# KiCad board TKL.kicad_pcb (continued)
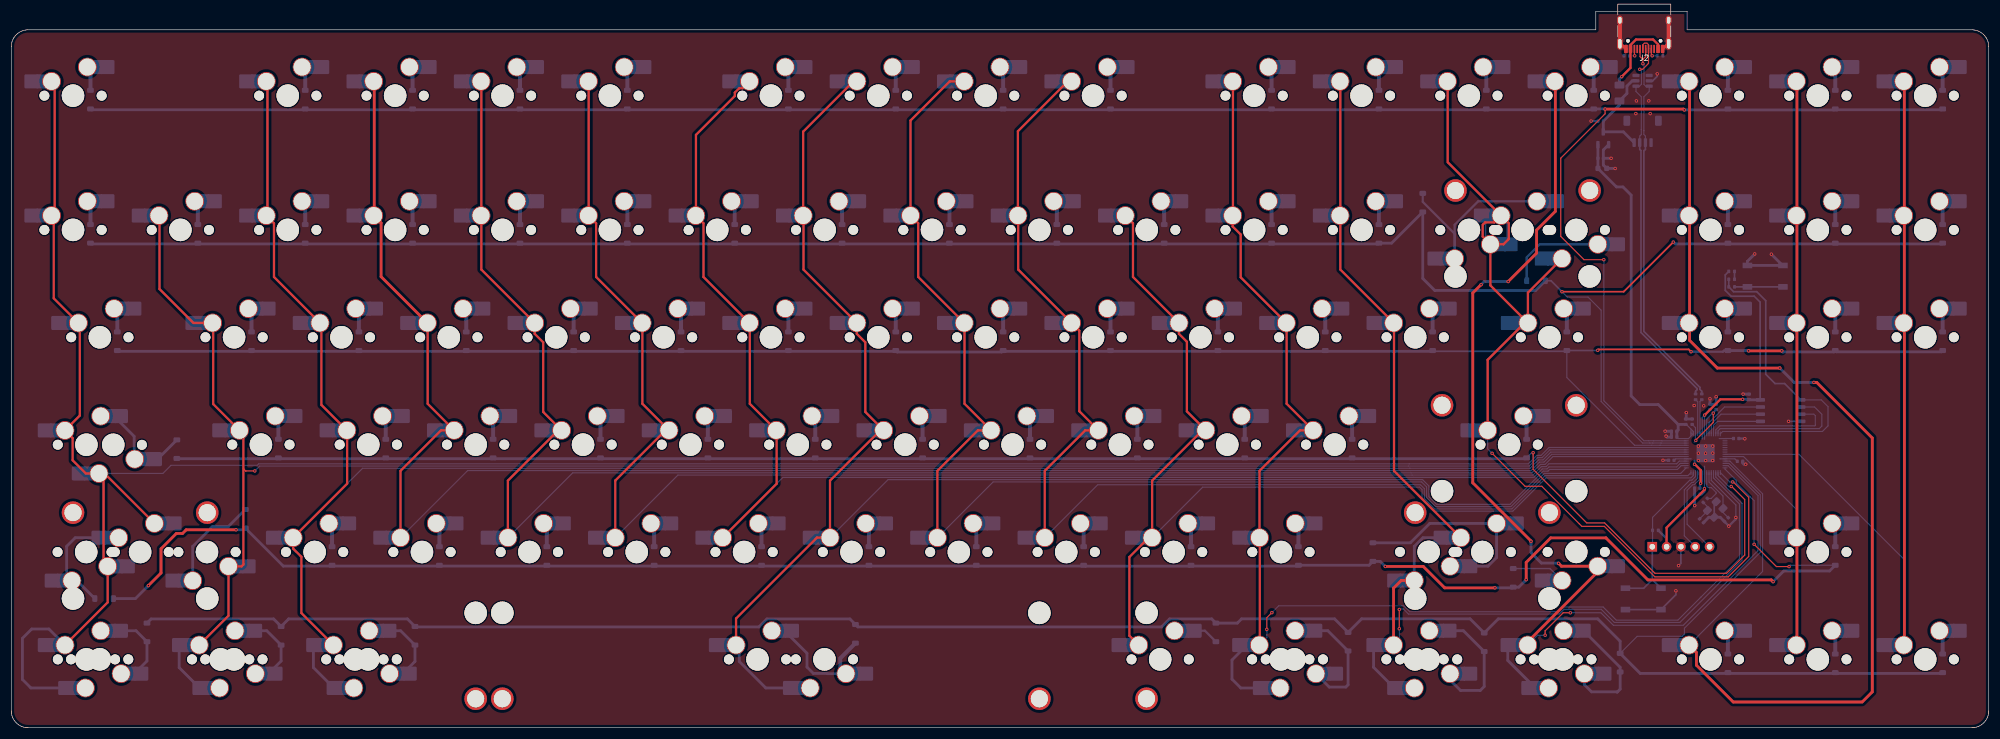
[diagram p0: board, top side]
## Routing (per net, layer and track width the routed paths; a pad name or vN(x,y) marks a point on that pad's centre or on a via; arc(x,y) is an arc through that point) (continued)
Net-(D80-A): length 3.6
  Bottom w0.7: D80.2 209.31,35.7
Net-(D81-A): length 3.6
  Bottom w0.7: D81.2 228.36,35.7
Net-(D83-A): length 3.6
  Bottom w0.7: D83.2 323.61,35.7
Net-(D84-A): length 38.3
  Bottom w0.5: D84.2 248.23,32.81 251.67,36.26 MX82.2 263.53,30.19 261.99,28.65 MX84.1
Net-(D85-A): length 9.5
  Bottom w0.25: MX85.2 272.99,28.24 D85.2
Net-(D86-A): length 17.9
  Bottom w0.5: MX86.2 22.13,17.21 D86.2 24.08,11.84 21.83,9.59 MX97.1
Net-(D87-A): length 15.8
  Bottom w0.5: MX98.1 45.64,9.59 47.88,11.83 D87.2 45.33,17.21 MX87.2
Net-(D88-A): length 17.5
  Bottom w0.5: MX88.2 69.08,17.21 D88.2 71.62,11.76 69.45,9.59 MX99.1
Net-(D89-A): length 24.7
  Bottom w0.5: MX89.2 137.18,17.21 141.18,13.21 141.18,10.76 142.3,9.64 144.75,9.64 144.79,9.59 MX100.1
  Bottom w0.7: D89.2 147.07,12.31 147.07,10.6 MX100.1
Net-(D90-A): length 4.6
  Bottom w0.4: MX90.2 211.78,17.21 D90.2
Net-(D91-A): length 27.5
  Bottom w0.25: MX101.2 231.53,17.21
  Bottom w0.5: MX91.1 233.83,7.21 236.78,7.21 237.18,7.61 D91.2 233.57,17.21 MX101.2
Net-(D92-A): length 25.1
  Bottom w0.25: MX102.2 253.92,17.21
  Bottom w0.5: 255.27,8.47 257.12,6.61 260.62,6.61 261.32,7.31 D92.2 257.62,17.21 MX102.2
Net-(D93-A): length 24.5
  Bottom w0.25: MX103.2 277.73,17.21
  Bottom w0.5: MX93.1 279.08,7.65 280.38,6.36 284.88,6.36 284.93,6.31 285.44,6.83 D93.2 285.44,10.72 MX103.2
Net-(D94-A): length 3.6
  Bottom w0.7: D94.2 304.56,16.65
Net-(D95-A): length 3.6
  Bottom w0.7: D95.2 323.61,16.65
Net-(D96-A): length 3.6
  Bottom w0.7: D96.2 342.66,16.65
Net-(J2-CC1): length 2.2
  Top w0.2: 290.98,120.43 290.98,119.36 v1(291.12,119.21)
  Bottom w0.2: R3.1 v1(291.12,119.21)
Net-(J2-CC2): length 2.1
  Top w0.2: 287.98,120.43 287.98,119.26 v1(288.02,119.21)
  Bottom w0.2: v1(288.02,119.21) R4.1
Net-(R5-Pad1): length 1.4
  Bottom w0.3: R5.1 R6.2
Net-(U1-USB_DM): length 6.2
  Bottom w0.2: U1.46 299.21,57.82 R1.2
Net-(U1-USB_DP): length 6.2
  Bottom w0.2: U1.47 299.61,57.89 R2.2

## Copper pours and planes (outline as drawn; the poured copper is in the pictures)
+1V1 on Bottom: 298.31,51.41 298.36,46.61 298.82,46.62 298.77,50.51 299.33,50.51 299.32,51.41 298.85,51.41
+3V3 on Bottom: 297.62,54.37 297.62,53.61 298.6,52.72 298.69,51.41 298.31,51.41 298.35,46.43 298.98,46.42 298.97,46.89 302.4,46.89 302.4,50.51 299.33,50.51 299.32,51.41 303.36,51.41 303.35,45.95 297.84,45.92 297.83,51.2 295.19,51.19 295.21,54.39
GND on Top, Bottom: -19.23,141.06 362.38,140.96 363.88,-13.54 -19.23,-14.14
